# Altium PCB LimeSDR_Mini_1v3_Rounded.PcbDoc (part 5 of 6) (continued)
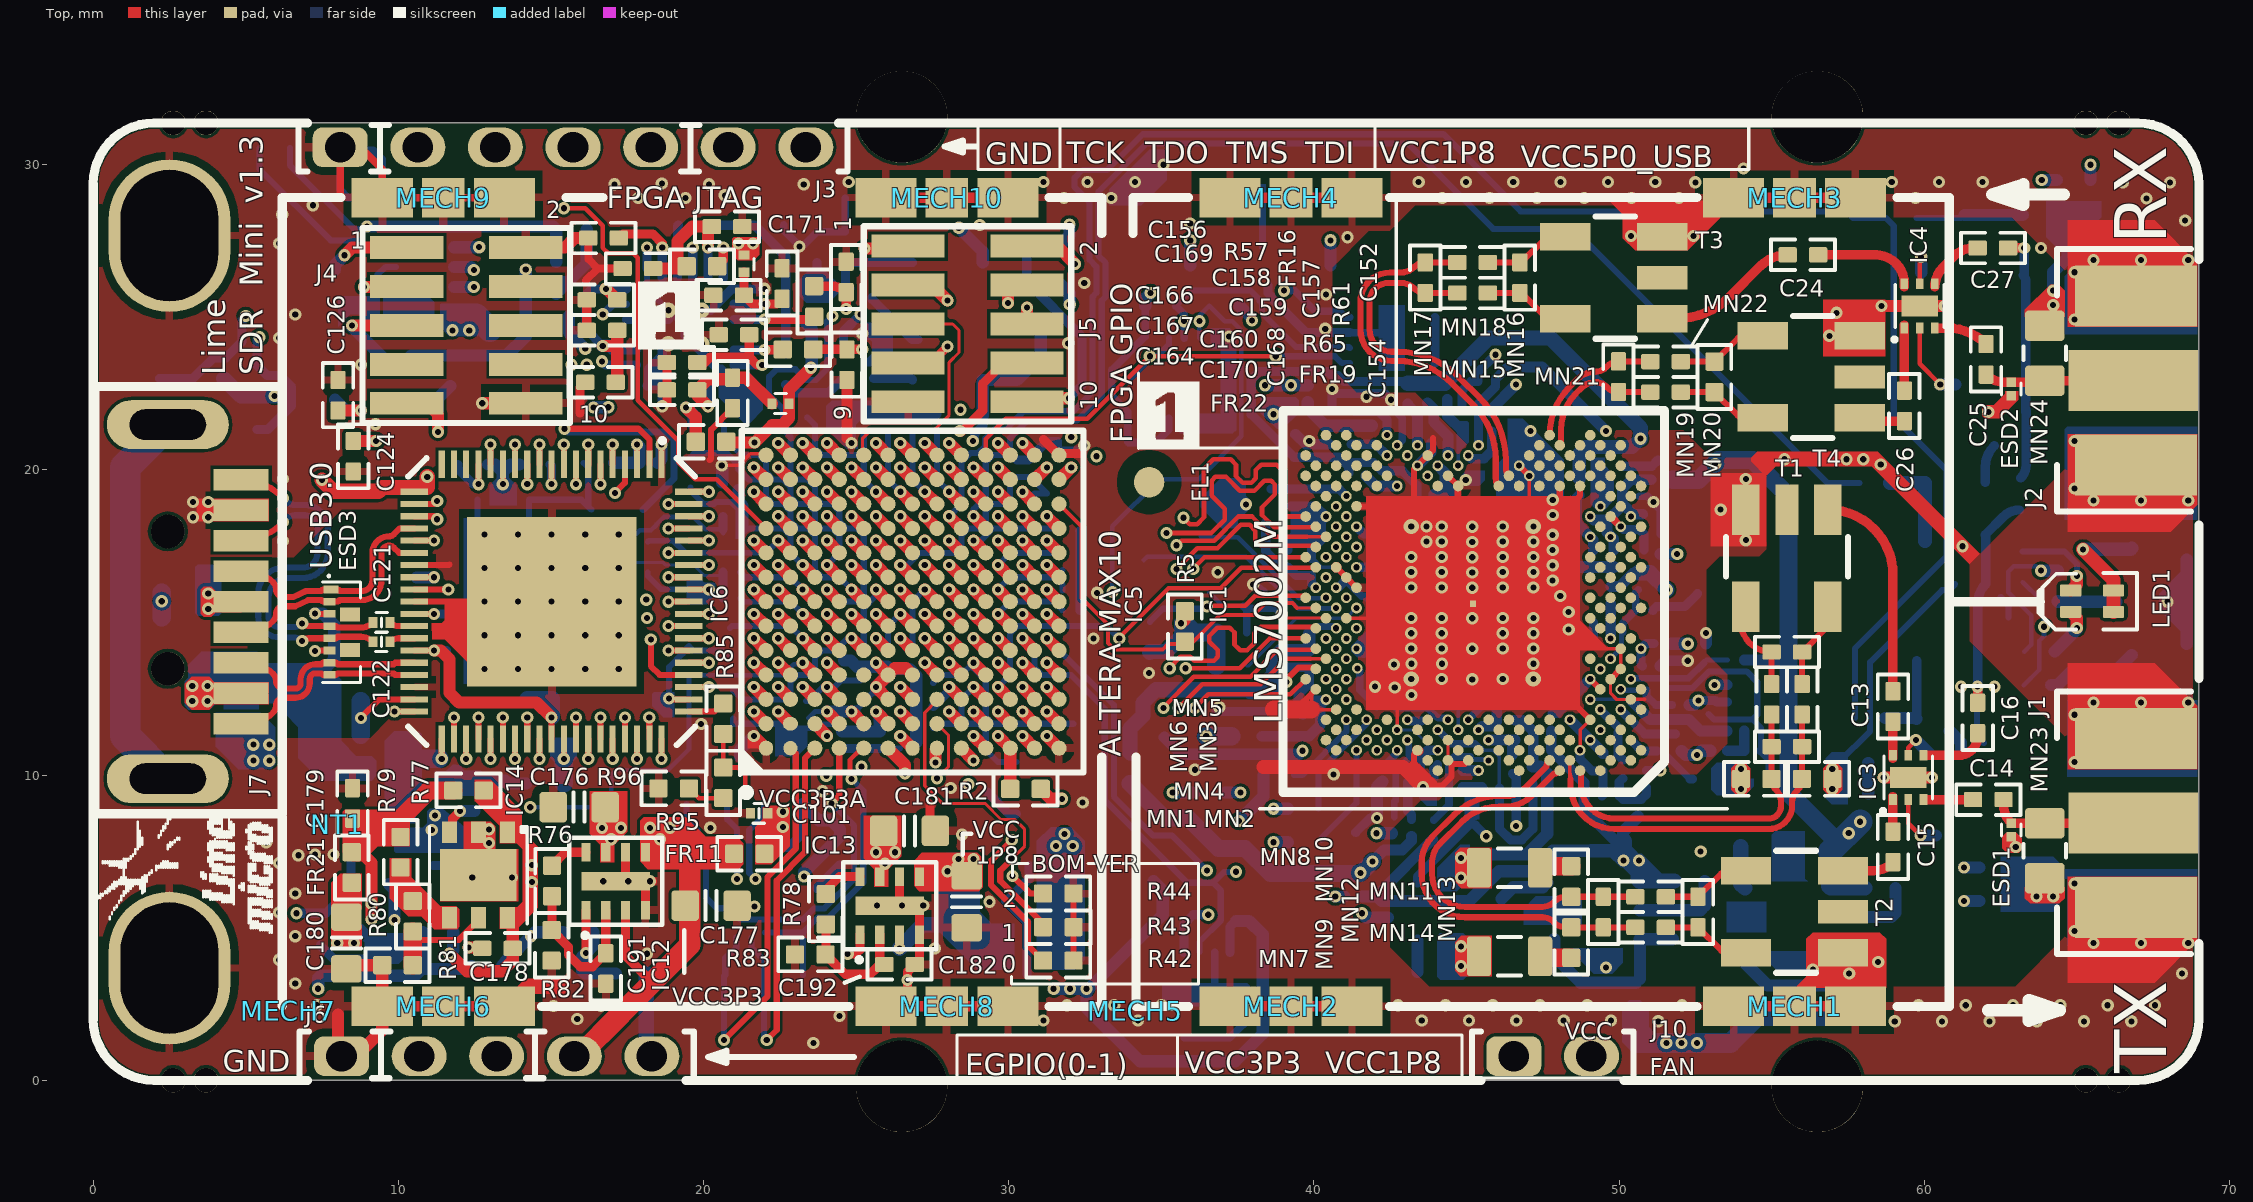
[diagram p0: Top view]
## Nets (pads, with @x,y where several pads share a name; then routed paths per layer and width w, separated by ;. In a path a pad name is that pad's centre, name@x,y a point inside that pad or via, vN(x,y) a via of type N, cw(c..) or ccw(c..) an arc to the next point about the centre after c; other vN are vias at no path point) (continued)
USB_SSTX_N: C121.1 ESD3.4 J7.5 | length 11.5
  Top w0.2: J7.5@4.85,19.685 cw(c4.85,17.838) 6.156,19.144 v1(6.225,19.075) ; v1(6.85,14.975) ccw(c7.067,15.192) 7.067,14.885 ESD3.4@7.742,14.885 7.955,14.885 8.005,14.835 8.772,14.835 ccw(c8.772,15.398) C121.1@9.17,15 C121.1@9.153,15
  Bottom w0.2: v1(6.225,19.075) 6.335,18.965 ccw(c6.6,19.229) 6.6,18.855 6.935,18.855 cw(c6.935,18.1) 7.69,18.1 7.69,17.275 cw(c6.875,17.275) 6.875,16.46 6.385,16.46 ccw(c6.385,15.825) 5.75,15.825 5.75,15.205 ccw(c6.1,15.205) 6.1,14.855 6.56,14.855 ccw(c6.56,15.265) v1(6.85,14.975)
USB_SSTX_P: C122.1 ESD3.5 J7.6 | length 11.5
  Top w0.2: J7.6@4.85,17.685 ccw(c4.85,19.532) 6.156,18.226 v1(6.225,18.295) ; v1(6.85,14.395) cw(c7.067,14.178) 7.067,14.485 ESD3.5@7.742,14.485 7.955,14.485 8.005,14.535 8.772,14.535 cw(c8.772,13.972) C122.1@9.17,14.37 C122.1@9.153,14.37
  Bottom w0.2: v1(6.225,18.295) 6.335,18.405 cw(c6.6,18.141) 6.6,18.515 6.935,18.515 cw(c6.935,18.1) 7.35,18.1 7.35,17.275 cw(c6.875,17.275) 6.875,16.8 6.244,16.8 ccw(c6.244,15.966) 5.41,15.966 5.41,15.205 ccw(c6.1,15.205) 6.1,14.515 6.56,14.515 cw(c6.56,14.105) v1(6.85,14.395)
USB_SSTXI_N: C121.2 IC6.31 | length 0.8
  Top w0.2: C121.2@9.73,15 ccw(c10.008,15.278) 10.008,14.885 IC6.31@10.525,14.885
USB_SSTXI_P: C122.2 IC6.32 | length 0.8
  Top w0.2: C122.2@9.73,14.37 cw(c10.008,14.092) 10.008,14.485 IC6.32@10.525,14.485
USB_VBUS: C123.1 ESD3.3 FR12.1 J7.1 R50.2 | length 3.3
  Top w0.2: v1(7.275,15.3) ccw(c7.311,15.336) 7.311,15.285 ESD3.3@7.742,15.285
  Bottom w0.4: 7.238,13.137 7.9,13.8 7.9,14.925 7.525,15.3 v1(7.275,15.3)
  other v1: 3.25,12.425 3.75,12.425 3.25,12.925 3.75,12.925
VCC1P4_LMS: C188.2 FR30.2 FR31.2 FR32.2 FR33.2 IC16.4 R88.2 R93.1 | length 59.3
  L4 w0.4: v1(49.575,21.275) 49.575,21.725 50.125,22.275 51.475,22.275 53.15,20.6 v1(53.15,20.2)
  L4 w0.8: 41.825,6.875 42.975,5.725 55.15,5.725 v1(57.9,8.475)
  Bottom w0.35: v1(41.925,7.175) 42.3,7.55 42.9,7.55 43.2,7.85 FR33.2@43.2,7.995 ; FR31.2@46.905,23.375 47.475,23.375 v1(49.575,21.275) ; FR30.2@54.105,13.775 55.5,13.775
  Bottom w0.5: IC16.4@56.925,6.3 56.931,6.305 R88.2@58.061,6.305
  Bottom w0.55: R93.1@33.975,9.725 35.1,8.6 35.875,8.6 36.875,7.6 37.75,7.6 38.575,6.775 41.525,6.775 v1(41.925,7.175)
  Bottom w0.6: FR32.2@51.75,19.675 52.6,19.675 53.25,20.325 54.379,20.325 55.55,19.154 55.55,9.417 C188.2@57.186,7.781 ; IC16.4@56.925,6.375 C188.2@56.925,7.5
  Bottom w0.8: C188.2@56.925,7.5 v1(57.9,8.475)
  other v1: 41.525,6.8 57.525,8.1
VCC1P8: C108.2 C109.1 C110.1 C111.1 C174.1 C182.2 FR16.1 FR20.1 IC5.F2 IC5.G3 IC11.8 IC11A.8 IC13.3 IC13.5 J3.6 J4.4 J6.5 R34.2 R36.2 R37.1 R58.2 R84.2 | length 119.7
  Top w0.3: v1(26.425,4.325) IC13.3@26.425,4.775
  Top w0.4: v1(25.65,12.085) IC5.F2@26.05,11.685 ; v1(26.45,12.885) IC5.G3@26.85,12.485
  L4 w0.4: J6.5@18.311,0.675 24.2,0.675 25.925,2.4 25.925,3.825 v1(26.425,4.325)
  L5 w0.25: v1@25.84,12.085 26.45,12.695 v1(26.45,12.885)
  L5 w0.4: v1(21.15,27.425) v1(21.625,27.425) 23.05,28.85 29.275,28.85 30.675,27.45 32.875,27.45 33.725,26.6 36.275,26.6 v1(37.975,24.9) ; v1@25.775,11.96 v1(25.65,12.085) v1@25.84,12.085
  L5 w0.5: v1(14.175,26.565) 13.06,25.45 11.3,25.45 9.85,24 8.116,24 7.425,23.309 7.425,22.725 5.95,21.25 5.95,20.271 5.275,19.596 5.275,13.841 6.291,12.825 6.891,12.825 10.5,9.216 10.5,7.98 11.28,7.2 13.45,7.2 15.15,8.9 20.925,8.9 v1@23.11,6.715
  L5 w0.6: v1@25.675,12.05 25.775,11.95 25.775,8.938 25.881,8.831 25.988,8.725
  L5 w1: 23.213,6.937 24.9,8.625 25.781,8.625
  L5 w1.2: 25.575,8.725 25.988,8.725 26.4,8.725 28.025,7.1 28.6,7.1
  L6 w0.5: v1(14.175,26.565) 14.665,26.565 16.46,28.36 20.94,28.36 ; J3.6@20.811,30.575 21.25,30.136 21.25,28.67 20.94,28.36 ; 21.4,27.5 21.3,27.6 21.3,28 21,28.3 20.94,28.36
  Bottom w0.17: 22.995,11.43 23.1,11.535 23.702,11.535 23.837,11.67 24.285,11.67 C110.1@24.525,11.43
  Bottom w0.2: R37.1@20.975,11.85 R37.1@20.975,11.775 20.975,11.685 22.74,11.685 22.995,11.43 C108.2@22.995,10.45
  Bottom w0.3: IC11.8@22.075,7.625 22.775,7.625 23.15,8 23.15,8.945 IC11A.8@23.255,9.05
  Bottom w0.4: R34.2@10.425,23.75 13.55,23.75 14.175,24.375 v1(14.175,26.565) ; IC11A.8@23.255,9.05 23.78,8.525 24.175,8.525 24.475,8.225 C174.1@24.475,8 23.3,6.825 v1(23.3,6.675) ; C110.1@24.544,11.43 C109.1@25.2,11.43 25.775,11.43 25.775,11.96 v1(25.65,12.085) ; R58.2@37.575,25.375 v1@37.9,25.05
  Bottom w0.5: R84.2@18.125,3.5 18.125,0.981 J6.5@18.311,0.795 ; v1(26.425,4.325) 27.2,5.1 28.125,5.1
  other v1: 28,6.85 28.35,7.25 28.85,7.25
VCC1P8_LMS: C3.1 C4.2 C5.1 C6.2 C7.1 C8.1 C9.2 C10.2 C175.2 FR1.2 FR2.1 FR3.1 FR4.2 FR5.2 FR6.2 FR7.2 FR8.2 FR20.2 FR34.1 FR35.1 MN1.2 MN2.2 MN7.2 MN8.2 R19.2 R26.2 R32.2 R33.1 | length 26.4
  Bottom w0.2: C6.2@57.165,10.4 57.185,10.4 58.225,11.44 58.225,13.7 60.588,16.063 60.812,16.063 R19.2@61.012,16.262
  Bottom w0.35: FR4.2@45.826,21.876 45.826,22.001 v1(46.625,22.8) ; FR6.2@46.58,11.8 46.825,11.8 47.185,11.44 FR7.2@47.185,11.175 FR8.2@47.185,10.28
  Bottom w0.4: v1(38.4,22.776) v1(39.251,22.776) R33.1@39.801,22.776 ; v1(42.056,8.096) R26.2@42.556,8.096 ; C9.2@45.142,7.4 46.973,7.4 47.65,8.077 47.65,10.05 47.42,10.28 47.185,10.28 FR8.2@47.175,10.28 ; FR3.1@51.355,17.25 FR3.1@51.38,17.25 v1(51.905,17.25) ; FR2.1@51.729,14.309 v1(52.254,14.309) ; FR1.2@52.05,10.795 52.188,10.657 v1(52.555,10.657) 52.698,10.8 R32.2@52.995,10.8 ; C4.2@53.325,9.875 53.875,9.875
  Bottom w0.65: v1@51.575,1.225 v1(52.05,1.225) v1(52.55,1.225) 53.65,1.225 54.53,2.105 FR35.1@56.936,2.105
  other v1: 51.55,1.225 44.817,3.742 44.817,4.392 44.817,6.642 44.817,7.292 31.55,7.675 32.1,7.675 31.825,8.075 54,9.55 56.985,9.55 54,10.2 56.985,10.2
VCC1P25_LMS: C185.2 FR23.2 FR24.2 FR25.2 FR26.2 FR27.2 FR28.2 FR29.2 FR36.2 FR37.2 FR38.2 FR39.2 FR40.2 FR41.2 FR42.2 FR43.2 FR44.2 FR45.2 IC15.4 R86.2 R90.1 | length 94.9
  L4 w0.4: 51.575,12.075 52.225,12.075 v1(52.6,12.45)
  L4 w0.65: v1(50.7,21.025) 51.75,19.975 51.75,18.4 51.025,17.675 51.025,16.625 v1(51.575,16.075) 51.575,12.075
  L4 w0.7: 50.425,7.3 50.425,10.925 51.575,12.075
  L6 w0.2: 42.01,12.215 43.585,12.215
  L6 w0.22: v5(41.425,13.5) 41.59,13.335 41.59,12.635 42.01,12.215
  L6 w0.4: 43.585,12.215 43.895,12.525 45.7,12.525 47.35,10.875 47.35,9.325
  L6 w0.6: v1(39.625,10.8) 39.625,10.204 40.579,9.25 42.8,9.25 43.05,9 45.525,9 45.85,9.325 47.35,9.325
  L6 w0.9: 47.35,9.325 49.4,7.275 50.45,7.275
  Bottom w0.2: FR40.2@42.954,22.851 FR40.2@43.075,22.73
  Bottom w0.25: v5(41.425,13.5) 41.5,13.425 41.5,12.799 FR42.2@42.059,12.239
  Bottom w0.3: FR41.2@41.145,19.9 41.145,20.105 ; FR40.2@42.954,22.851 42.904,22.901 40.985,22.901 40.786,23.1 40.575,23.1 40.449,23.226 38.214,23.226 37.95,22.963 37.95,21.821 39.355,20.416 40.834,20.416 41.145,20.105 ; FR23.2@43.37,19.2 43.37,19.505 42.9,19.975 42.225,19.975 41.95,20.25 41.29,20.25 41.145,20.105 ; v1(52.6,12.45) 53.15,12.45 53.2,12.4 FR45.2@53.55,12.4
  Bottom w0.35: 42.15,6.15 FR29.2@43.9,7.9 ; FR24.2@47.775,11.445 47.775,10.825 48.85,9.75 48.85,8.875 49.9,7.825 C185.2@50.125,7.825 ; FR37.2@49.725,16.18 50.021,16.18 50.471,16.63 FR43.2@50.625,16.63
  Bottom w0.38: R90.1@35.107,11.243 35.662,10.688 39.513,10.688 v1(39.625,10.8)
  Bottom w0.4: FR44.2@41.605,6.025 42.075,6.025 42.225,5.875 45.095,5.875 46.07,6.85 47.15,6.85 47.825,7.525 49.1,7.525 ; C185.2@50.125,7.825 50.125,8.145 FR27.2@50.625,8.645 ; FR36.2@52.305,12.3 52.45,12.3 v1(52.6,12.45)
  Bottom w0.45: FR25.2@48.7,19.73 48.7,20.55 48.9,20.75 50.425,20.75 v1(50.7,21.025) ; 49.1,7.525 50.125,7.525
  Bottom w0.5: FR40.2@43.075,22.845 44.295,22.845 44.875,23.425 44.875,23.478 45.722,24.325 47.75,24.325 50.7,21.375 v1(50.7,21.025) ; FR43.2@50.625,16.63 51.02,16.63 v1(51.575,16.075) ; IC15.4@50.675,6.525 50.681,6.53 R86.2@51.811,6.53
  Bottom w0.6: C185.2@50.125,7.825 50.125,7.525 50.675,6.975 IC15.4@50.675,6.6
  other v1: 50.15,7.2 50.65,7.2
VCC3P3: C102.2 C103.1 C104.1 C105.1 C106.1 C107.1 C112.2 C113.1 C114.1 C115.1 C116.1 C117.1 C118.1 C119.1 C120.1 C128.2 C129.2 C130.1 C131.2 C132.1 C133.2 C134.1 C135.2 C136.1 C150.1 C162.1 C177.2 C178.2 FR11.1 FR22.1 IC5.C6 IC5.C7 IC5.C8 IC5.F7 IC5.F11 IC5.G6 IC5.G8 IC5.G11 IC5.H7 IC5.H11 IC5.J11 IC6.14 IC6.20 IC6.24 IC6.28 IC6.38 IC6.49 IC6.59 IC6.68 IC8.8 IC10.8 IC12.3 IC12.5 IC14.1 IC14.6 J6.4 LED1.1 LED1.2 LED2.A R14.1 R20.1 R35.1 R40.1 R45.1 R46.1 R47.1 R48.1 R49.1 R53.2 R54.2 R55.2 R64.1 R66.1 R71.1 R77.1 | length 156.9
  Top w0.2: v1(9.875,12.085) IC6.38@10.525,12.085 ; IC6.28@10.525,16.085 v1(11.64,16.085) ; IC6.24@10.525,17.685 v1(11.175,17.685) ; v1(13.425,19.535) IC6.14@13.425,20.185 ; v1(15.425,10.535) IC6.49@15.425,11.185 ; v1@18.875,12.485 IC6.59@19.525,12.485 ; IC6.68@19.525,16.085 v1(20.175,16.085)
  Top w0.3: IC12.3@17.45,5.575 17.45,4.075 18.32,3.205
  Top w0.4: v1(11.675,4.15) 12.25,3.575 13.4,3.575 13.75,3.925 C178.2@13.75,4.325 13.75,5.475 13.975,5.475 14.375,5.875 v1(14.375,6.5) v1(14.375,7.05) 14.375,7.584 ; v1(19.425,22.05) 19.75,21.725 FR22.1@19.75,20.925 ; v1(23.25,15.285) IC5.C6@23.65,14.885 ; v1(23.25,16.085) IC5.C7@23.65,15.685 ; v1(23.25,16.885) IC5.C8@23.65,16.485 ; v1(25.65,16.085) IC5.F7@26.05,15.685 ; v1(25.65,19.285) IC5.F11@26.05,18.885 ; v1(26.45,15.285) IC5.G6@26.85,14.885 ; v1(26.45,16.885) IC5.G8@26.85,16.485 ; v1(26.45,19.285) IC5.G11@26.85,18.885 ; v1(27.25,16.085) IC5.H7@27.65,15.685 ; v1(27.25,19.285) IC5.H11@27.65,18.885 ; v1(28.05,19.285) IC5.J11@28.45,18.885
  Top w0.45: v1(65.2,17.4) 66.2,16.4 LED1.1@66.2,15.35
  Top w0.5: v1(7.5,19.675) 7.875,19.3 9.35,19.3 9.475,19.425 10.937,19.425 10.95,19.438 v1(10.95,19.775)
  Top w0.7: J6.4@15.768,0.795 15.919,0.795 17.29,2.166 17.29,2.175 18.32,3.205 19.55,4.435 19.55,7.45
  L4 w0.45: v1(34.65,25.8) 34.725,25.875 v1(39.025,25.875) 39.025,27.15 40.15,28.275 52.9,28.275 53.35,27.825 61.4,27.825 61.975,27.25 ; v1(61.3,6.975) 61.3,10.25 65.525,14.475 65.525,17.075 v1(65.2,17.4) 65.2,17.425 61.475,21.15 61.475,25.525 61.975,26.025 61.975,27.25 ; v1(63.85,29.5) 63.85,29.125 61.975,27.25
  L4 w0.5: v1(5.95,22.425) 7.5,20.875 v1(7.5,19.675)
  Bottom w0.19: R45.1@18.175,16.65 18.175,16.525 18.61,16.09 20.17,16.09 v1(20.175,16.085) ; C116.1@21.205,15.8 21.325,15.68 22.855,15.68 v1(23.25,15.285)
  Bottom w0.2: v1(18.875,12.51) 18.875,13.544 19.325,13.994 19.325,14.03 R48.1@19.525,14.23 19.67,14.085 20.615,14.085 R49.1@20.875,13.825 R49.1@20.875,13.819 ; R47.1@19.575,19.425 19.575,19.319 20.009,18.885 20.347,18.885 20.412,18.95 20.878,18.95 20.88,18.948 21.15,18.948 ; C120.1@21.205,16.65 21.37,16.485 22.85,16.485 v1(23.25,16.085) ; 21.28,18.15 21.345,18.085 22.616,18.085 22.85,17.851 22.85,17.285 v1(23.25,16.885) ; C102.2@23.4,21.725 23.65,21.475 23.65,20.719 23.884,20.485 25.231,20.485 25.25,20.466 ; C113.1@25.25,14.08 25.25,15.475 25.65,15.875 v1(25.65,16.085) ; C117.1@25.27,21.266 25.25,21.246 25.25,20.466 ; v1(25.65,19.285) 25.25,19.685 25.25,20.466 ; C115.1@26.025,14.08 26.05,14.105 26.05,14.885 v1(26.45,15.285) ; C118.1@26.04,21.266 26.05,21.256 26.05,19.685 v1(26.45,19.285) ; v1(26.45,16.885) 26.684,16.885 27.084,17.285 28.216,17.285 28.45,17.519 28.45,17.851 28.684,18.085 29.016,18.085 29.25,18.319 29.25,18.651 29.484,18.885 29.816,18.885 30.05,19.119 30.05,19.545 C103.1@30.275,19.77 30.715,19.77 C112.2@31.25,19.235 30.85,19.235 C112.2@30.85,18.885 ; C119.1@26.75,14.055 26.85,14.155 26.85,15.685 v1(27.25,16.085) ; C114.1@26.86,21.266 26.85,21.256 26.85,19.685 v1(27.25,19.285) ; C107.1@27.65,21.27 27.65,19.685 v1(28.05,19.285)
  Bottom w0.25: R66.1@34.475,25.375 34.475,24.375 33.375,23.275 33.375,22.425 R64.1@33.9,21.9 33.9,20.925 C150.1@33.925,20.9 34.825,20.9 35.25,21.325 IC8.8@35.25,21.525 IC8.8@35.25,21.7 ; v1(39.025,25.875) 39.375,25.875 C162.1@40.05,25.2 40.829,25.2 40.975,25.054 40.975,25.025 41,25 IC10.8@41.175,25
  Bottom w0.4: v1(11.675,4.15) 11.8,4.275 R71.1@11.8,4.85 ; R54.2@12.95,20.175 13.175,20.175 13.425,19.925 ; v1(13.425,19.535) 13.425,19.925 ; R53.2@13.975,20.175 13.675,20.175 13.425,19.925 ; v1(19.425,22.05) 19.675,21.8 R46.1@19.675,21.475 ; C106.1@21.15,19.335 21.15,18.948 21.28,18.818 21.28,18.15 ; R40.1@31.6,26.175 32,25.775 v1(32,25.425) ; R66.1@34.475,25.375 34.475,25.625 v1(34.65,25.8) ; v1(61.3,6.975) R14.1@61.8,6.975 ; v1(63.85,29.5) R20.1@64.35,29.5
  Bottom w0.45: v1(65.2,17.4) 66.765,17.4 LED2.A@66.8,17.435
  Bottom w0.5: R35.1@4.275,23 4.85,22.425 v1(5.95,22.425)
  Bottom w0.6: C128.2@15.425,9.725 v1(15.425,10.535)
  other v1: 18.575,7.9 18.25,8.275 18.9,8.275
VCC3P3_CLK: C184.2 FR17.1 FR19.1 FR22.2 R60.2 | length 21.5
  Top w0.4: FR22.2@20.75,20.925 20.77,20.905 v1(21.67,20.905) 21.692,20.905 22.255,21.468 22.574,21.468 22.805,21.699 FR19.1@22.805,22.175 22.805,22.63 v1(23.525,23.35)
  L4 w0.5: v1(16.4,22.05) 17.575,22.05 18.41,22.885 23.06,22.885 v1(23.525,23.35)
  L5 w0.6: v1(11.775,24.575) v1(12.325,24.575) 13.225,24.575 15.75,22.05 v1(16.4,22.05) v1@16.775,22.05
  Bottom w0.4: v1@16.4,22.055 v1(16.88,22.055) ; R60.2@23.375,24.775 23.55,24.6 23.55,23.375 v1(23.525,23.35)
  Bottom w0.8: 11.775,25.05 12.55,25.05 C184.2@13,24.6
VCC3P3A: C95.2 C96.1 C97.1 C98.1 C99.1 C100.1 C101.1 FR11.2 IC5.D3 IC5.D4 IC5.D10 IC5.K4 IC5.K9 | length 36.4
  Top w0.4: v1(24.05,12.885) IC5.D3@24.45,12.485 ; v1(24.05,13.685) IC5.D4@24.45,13.285 ; v1(24.05,18.485) IC5.D10@24.45,18.085 ; v1(28.85,13.685) IC5.K4@29.25,13.285 ; v1(28.85,17.685) IC5.K9@29.25,17.285
  L2 w0.2: v1@23.938,12.763 24.962,12.763 25.484,13.285 28.45,13.285 v1(28.85,13.685) 29.25,14.085 29.25,17.285 v1(28.85,17.685) ; v1(24.05,13.685) 24.45,14.085 24.45,18.085 v1(24.05,18.485)
  L2 w0.4: v1@23.938,12.763 v1@24.05,12.875 ; v1(24.05,12.885) v1(24.05,13.685)
  L2 w0.45: 23.375,12.21 v1(24.05,12.885)
  L2 w0.6: v1(22.6,8.3) v1(22.6,8.8) 22.6,10.725 23.375,11.5 23.375,12.21
  Bottom w0.2: C99.1@23.361,12.43 C99.1@23.45,12.43 23.905,12.885 v1(24.05,12.885) 24.29,12.885 C98.1@24.525,13.12 ; v1(24.05,13.685) 24.525,13.21 C98.1@24.525,13.12 ; C98.1@24.6,13.195 C98.1@24.525,13.12 ; C97.1@25.15,13.105 24.525,13.105 C98.1@24.525,13.12 ; C96.1@27.53,13.025 27.79,13.285 28.45,13.285 v1(28.85,13.685) 28.85,13.495 29.25,13.095 29.25,11.919 29.484,11.685 32.115,11.685 C95.2@32.125,11.675 ; v1(28.85,17.685) 29.085,17.685 29.25,17.85 ; 29.25,17.851 29.484,18.085 31.77,18.085 C100.1@31.77,18
VCC5P0_USB: C176.2 C181.2 FR12.2 IC12.7 IC13.1 IC13.7 J3.7 R15.1 R21.1 R41.1 R69.1 R94.1 | length 146.1
  Top w0.3: v1(24.725,4.15) 25,4.15 25.125,4.275 IC13.1@25.125,4.775
  L3 w0.6: 5.375,10.7 5.375,11 5.375,21.875 4.275,22.975 4.275,25.4 5.35,26.475 5.35,28.45 6.175,29.275 15.825,29.275 16.825,28.275 21.154,28.275 J3.7@23.354,30.475
  L4 w0.6: J3.7@23.354,30.575 24.469,30.575 25.694,29.35 30.275,29.35 31.584,28.041 v1(31.994,28.041) 33.891,28.041 34.625,28.775 36.25,28.775 36.8,29.325 42.476,29.325 43.187,30.035 52.89,30.035 53.95,28.975 57.625,28.975 59.025,30.375 65.075,30.375 v1(65.45,30) 65.45,28 64.125,26.675 63.825,26.675 63.238,26.088 63.238,25.788 62.8,25.35 62.8,21.85 64.425,20.225 65.35,20.225 66.4,19.175 66.4,12.25 65.35,11.2 64.2,11.2 62.35,9.35 62.35,6.6 61.628,5.878 v1(61.3,5.878)
  L4 w1.7: 5.8,10.75 6.175,10.75 11.425,5.5 13.125,5.5 13.3,5.325 20.25,5.325 21.2,4.375 24.075,4.375 24.4,4.7 24.4,6.15 25.05,6.8 ; 15.55,5.375 15.55,7.125 16.125,7.7 16.675,7.7
  Bottom w0.4: R69.1@13.4,3.75 13.5,3.85 13.5,3.875 14.475,4.85 R94.1@15.4,4.85 ; R41.1@31.594,27.291 31.994,27.691 v1(31.994,28.041) ; v1(61.3,5.878) R15.1@61.8,5.878 ; R21.1@65.45,29.5 v1(65.45,30)
  other v1: 14.35,4.725 25.95,7.1 25.65,7.475 26.275,7.475 16.975,7.9 16.675,8.275 17.3,8.275 5.25,10.475 5.775,10.475 5.25,11 5.775,11
VD10_FT: C137.2 C138.2 C139.1 C140.1 C141.1 C142.1 C143.1 C144.1 FR14.1 IC6.3 IC6.30 IC6.33 IC6.39 IC6.48 | length 30.5
  Top w0.2: IC6.33@10.525,14.085 v1(11.175,14.085) ; IC6.30@10.525,15.285 v1(11.175,15.285) ; v1(11.425,10.535) IC6.39@11.425,11.185 ; IC6.48@15.025,11.185 v1@15.025,11.835 ; IC6.3@17.825,20.185 v1(17.825,20.835)
  Top w0.4: v1(11.175,14.085) 11.39,14.085 11.675,13.8 11.675,12.7 11.99,12.385 14.525,12.385 v1(15.025,11.885)
  L5 w0.5: v1(11.425,10.535) 11.175,10.785 v1(11.175,15.285) 11.415,15.525 11.975,15.525 12.225,15.775 12.225,18.134 12.05,18.309 12.05,19.907 12.343,20.2 17.19,20.2 v1(17.825,20.835)
  Bottom w0.3: v1(11.175,14.085) C143.1@11.585,14.085 ; v1(11.175,15.285) C141.1@11.585,15.285
  Bottom w0.4: C142.1@17.075,20.235 C139.1@17.87,20.235 ; v1(17.825,20.835) 17.895,20.765 C139.1@17.895,20.235
  Bottom w0.5: C138.2@14.225,12.51 C140.1@15.05,12.51 v1@15.05,11.91
  Bottom w0.6: C137.2@10.4,10.535 C137.2@10.475,10.535 ; C144.1@10.475,9.775 C137.2@10.475,10.535 ; v1@11.35,10.535 C137.2@10.475,10.535
VDIO_LMS: C2.1 C180.2 FR21.2 IC2.8 R1.2 R2.2 R3.1 R4.1 R5.2 R12.1 R13.1 R27.1 R28.1 R29.1 R30.1 R31.1 | length 51.8
  Top w0.4: R2.2@31.05,9.55 31.375,9.225 v1(31.75,9.225) ; v1(35.65,14.978) 35.775,15.103 R5.2@35.775,15.375
  L6 w0.8: v1@8.175,4.5 10.025,4.5 11.365,3.16 18.04,3.16 18.275,2.925 24.8,2.925 25.175,2.55 30.35,2.55 31,3.2 32.525,3.2
  Bottom w0.3: IC2.8@37.25,4.2 37.25,5.025 C2.1@37.45,5.225
  Bottom w0.4: v1(31.475,3) v1(32.013,3) v1(32.55,3) ; R13.1@34.75,6.525 35.05,6.225 R12.1@35.05,5.425 32.625,3 v1(32.55,3) ; R28.1@37.322,18.275 37.322,18.422 v1(37.775,18.875) 37.326,19.324 R27.1@37.326,19.371 ; C2.1@37.45,5.225 37.875,5.225 38.325,4.775 38.325,1.525 37.425,0.625 34.3,0.625 32.55,2.375 v1(32.55,3)
  Bottom w0.5: R4.1@34.625,14.025 34.625,14.053 35.175,14.053 35.8,14.678
  Bottom w0.6: 35.8,14.678 36.801,14.678 36.801,14.671 R3.1@36.8,13.575 ; v1(36.475,11.278) R30.1@37.3,11.278 ; 41.627,14.147 R31.1@42.001,14.521
  other v1: 8,4.5 8.55,4.5
  other v3: 41.401,14.146
VDIO_LMS_FPGA: C88.2 C89.1 C90.1 C91.1 C92.1 C93.1 C94.1 C179.2 FR18.1 FR21.1 IC5.J3 IC5.K3 IC5.L6 IC5.L7 IC5.L8 R77.2 R79.2 | length 88.3
  Top w0.4: FR21.1@8.725,7.525 9.118,7.132 v1(9.118,5.782) v1(9.118,5.275) ; v1(28.05,12.885) IC5.J3@28.45,12.485 ; v1(28.85,12.885) IC5.K3@29.25,12.485 ; v1(29.65,15.285) IC5.L6@30.05,14.885 ; v1(29.65,16.085) IC5.L7@30.05,15.685 ; v1(29.65,16.885) IC5.L8@30.05,16.485
  Top w0.6: 10.087,8.587 11,9.5 R77.2@11.8,9.5
  L5 w0.2: v1(28.85,12.885) 29.25,13.285 29.25,14.885 v1(29.65,15.285)
  L5 w0.4: v1(9.118,5.275) v1(9.118,5.782) 8.275,6.625 5.45,6.625 4.75,7.325 4.75,10.45 4.525,10.675 4.525,19.907 5.125,20.507 5.125,22.307 7.275,24.457 7.275,25.225 9.85,27.8 14.143,27.8 15.675,26.268 15.675,24.425 v1(16.125,23.975)
  L6 w0.4: v1@29.645,15.29 29.65,15.295 v1(29.65,16.885)
  L6 w0.5: v1@9.1,5.35 9.1,5.764 v1(9.118,5.782) 9.511,6.175 11.614,6.175 12.214,5.575 19.125,5.575 21.05,7.5 23.5,7.5 25.875,9.875 25.875,10.2 26.35,10.675 26.725,10.675 27.225,11.175 27.225,12.375 27.725,12.875 v1@28.85,12.875
  Bottom w0.2: C92.1@27.53,11.55 27.53,11.685 28.216,11.685 28.45,11.919 ; v1(28.85,12.885) 28.45,12.485 28.45,11.919 ; v1(29.65,15.285) 30.05,15.685 31.485,15.685 C91.1@31.77,15.4 ; v1(29.65,16.085) 30.05,16.485 31.53,16.485 ; v1(29.65,16.885) 30.05,17.285 31.77,17.285 C94.1@31.77,17.35 ; C88.2@30.25,10.425 29.65,10.425 29.25,10.825 29.25,11.451 29.016,11.685 28.684,11.685 28.45,11.919 ; C90.1@31.77,16.05 31.77,16.245 31.53,16.485 ; C89.1@31.77,16.725 31.53,16.485
  Bottom w0.3: C93.1@27.53,12.25 28.05,12.77 v1(28.05,12.885)
  Bottom w0.4: 15.595,25.05 FR18.1@15.595,24.875 15.595,24.505 v1(16.125,23.975)
VDIO_LMS_LMK: C164.2 C165.2 C166.2 C167.2 FR18.2 IC7.14 IC7.18 | length 6
  Top w0.4: v1(16.7,24.06) 17.04,24.06 ; v1(16.8,25.935) 16.815,25.935 C166.2@17.175,25.575 ; C164.2@17.125,22.875 17.175,22.925 17.175,23.925 17.04,24.06 ; C167.2@17.175,24.575 17.175,24.195 17.04,24.06
  Bottom w0.3: v1(16.7,24.06) 16.155,24.605 FR18.2@16.155,24.875 16.155,25.755 C165.2@16.175,25.775 16.335,25.935 v1(16.8,25.935) IC7.18@17.475,25.935
pads on no net: C1.0 C2.0 C3.0 C4.0 C5.0 C6.0 C7.0 C8.0 C9.0 C10.0 C11.0 C12.0 C13.0 C14.0 C15.0 C16.0 C17.0 C18.0 C19.0 C20.0 C21.0 C22.0 C23.0 C24.0 C25.0 C26.0 C27.0 C28.0 C29.0 C87.0 C88.0 C95.0 C102.0 C108.0 C112.0 C123.0 C124.0 C125.0 C126.0 C127.0 C128.0 C137.0 C140.0 C142.0 C144.0 C145.0 C147.0 C148.0 C149.0 C150.0 C151.0 C152.0 C153.0 C154.0 C155.0 C156.0 C157.0 C158.0 C159.0 C160.0 C161.0 C162.0 C163.0 C164.0 C165.0 C166.0 C167.0 C168.0 C169.0 C170.0 C171.0 C172.0 C173.0 C174.0 C175.0 C176.0 C177.0 C178.0 C179.0 C180.0 C181.0 C182.0 C183.0 C184.0 C185.0 C186.0 C187.0 C188.0 C189.0 C191.0 C192.0 C193.0 ESD3.9 ESD3.10 FL1.1 FR11.0 FR12.0 FR13.0 FR14.0 FR20.0 FR21.0 FR22.0 FR34.0 FR35.0 IC1.A5 IC1.A13 IC1.A21 IC1.AA1 IC1.AA3 IC1.AA5 IC1.AB2 IC1.AB4 IC1.AB6 IC1.AC3 IC1.AC5 IC1.AD2 IC1.AE1 IC1.AE5 IC1.AG3 IC1.AG33 IC1.AH2 IC1.AH4 IC1.AH32 IC1.AJ1 IC1.AJ3 IC1.AJ5 IC1.AJ11 IC1.AJ13 IC1.AJ21 IC1.AJ27 IC1.AJ29 IC1.AJ31 IC1.AJ33 IC1.AK2 IC1.AK4 IC1.AK6 IC1.AK8 IC1.AK10 IC1.AK26 IC1.AK28 IC1.AK30 IC1.AK32 IC1.AK34 IC1.AL3 IC1.AL5 IC1.AL7 IC1.AL9 IC1.AL11 IC1.AL27 IC1.AL29 IC1.AL31 IC1.AL33 IC1.AM4 IC1.AM6 IC1.AM8 IC1.AM10 IC1.AM12 IC1.AM28 IC1.AM30 IC1.AM34 IC1.AN3 IC1.AN5 IC1.AN7 IC1.AN11 IC1.AN27 IC1.AN29 IC1.AN31 IC1.AP6 IC1.AP30 IC1.AP32 IC1.B2 IC1.B4 IC1.B12 IC1.B14 IC1.B22 IC1.C1 IC1.C3 IC1.C5 IC1.C9 IC1.C11 IC1.C13 IC1.C15 IC1.C17 IC1.C19 IC1.C31 IC1.D2 IC1.D4 IC1.D8 IC1.D10 IC1.D12 IC1.D14 IC1.D18 IC1.D22 IC1.D30 IC1.D32 IC1.E3 IC1.E9 IC1.E11 IC1.E13 IC1.E15 IC1.E23 IC1.E29 IC1.E31 IC1.F2 IC1.F4 IC1.F10 IC1.F12 IC1.F14 IC1.F16 IC1.F22 IC1.F26 IC1.F32 IC1.G1 IC1.G29 IC1.J1 IC1.M2 IC1.M6 IC1.P2 IC1.R3 IC1.R5 IC1.T4 IC1.T6 IC1.U1 IC1.U3 IC1.U5 IC1.V2 IC1.V4 IC1.V6 IC1.W3 IC1.Y2 IC1.Y4 IC1.Y6 IC5.E3 IC5.E4 IC6.17 IC6.18 IC6.19 IC7.4 IC7.9 IC7.10 IC7.15 IC8.9 J4.6 J4.7 J4.8 J7.11 LED1.0 LED2.0 MN1.0 MN2.0 MN3.0 MN4.0 MN5.0 MN6.0 MN7.0 MN8.0 MN9.0 MN10.0 MN11.0 MN12.0 MN13.0 MN14.0 MN15.0 MN16.0 MN17.0 MN18.0 MN19.0 MN20.0 MN21.0 MN22.0 MN23.0 MN24.0 R1.0 R2.0 R3.0 R4.0 R5.0 R6.0 R7.0 R8.0 R9.0 R10.0 R11.0 R12.0 R13.0 R14.0 R15.0 R16.0 R17.0 R18.0 R19.0 R20.0 R21.0 R22.0 R23.0 R24.0 R25.0 R27.0 R28.0 R29.0 R30.0 R31.0 R34.0 R35.0 R36.0 R37.0 R38.0 R39.0 R40.0 R41.0 R42.0 R43.0 R44.0 R45.0 R46.0 R47.0 R48.0 R49.0 R50.0 R51.0 R52.0 R53.0 R54.0 R55.0 R56.0 R57.0 R58.0 R59.0 R60.0 R61.0 R62.0 R63.0 R64.0 R65.0 R66.0 R67.0 R68.0 R69.0 R70.0 R71.0 R72.0 R73.0 R74.0 R75.0 R76.0 R77.0 R78.0 R79.0 R80.0 R81.0 R82.0 R83.0 R84.0 R85.0 R86.0 R87.0 R88.0 R89.0 R90.0 R93.0 R94.0 R95.0 R96.0 T1.2 T2.2 T3.2 T4.2 VT4.0 XO1.2 XO1.3 XO1.5 XO1.8 XO1.10 XT1.0

## Polygon pours and split planes (outlines as drawn)
GND on L3 "GND_L03_P018" (solid, remove dead copper, pour order 18): 0,2 0,29.37 cw(c2,29.37) 2,31.37 67,31.37 cw(c67,29.37) 69,29.37 69,2 cw(c67,2) 67,0 2,0 cw(c2,2)
VDIO_LMS on L3 "VDIO_LMS_L03_P002" (solid, remove dead copper, pour order 2): 31.05,3.1 31.05,5.725 32.625,7.3 32.625,8.05 31.525,9.15 31.525,13.25 37.475,19.2 38.4,19.2 41.925,15.675 41.925,12.05 35.9,6.025 35.9,5.425 33.2,2.725 31.425,2.725
GND on L2 "GND_L02_P005" (solid, remove dead copper, pour order 5): 0,2 0,29.37 cw(c2,29.37) 2,31.37 67,31.37 cw(c67,29.37) 69,29.37 69,2 cw(c67,2) 67,0 2,0 cw(c2,2)
VCC3P3 on L2 "VCC3P3_L02_P001" (solid, remove dead copper, pour order 1): 21.525,22.8 21.15,22.8 20.625,22.275 20.625,21.9 20.35,21.625 19.925,21.625 19.775,21.775 19.775,22.125 19.525,22.375 19.325,22.375 19.107,22.15 19.107,20.468 18.725,20.085 10.81,20.085 9.65,18.925 9.65,11.3 11.55,9.4 12.15,9.4 14.075,7.475 14.075,6.45 14.375,6.125 15.25,6.125 15.525,6.4 15.525,8.45 15.9,8.825 17.547,8.825 17.85,8.522 17.85,8.2 18.35,7.7 18.925,7.7 21.45,10.225 21.45,13.485 22.99,15.025 26.65,15.025 28.475,16.85 28.475,19.402 34.875,25.802 34.875,26.1 34.6,26.375 33.075,26.375 32.525,25.825 31.3,25.825 30.513,25.038 27.787,25.038 25.55,22.8
USB_GND on L2 "USB_GND_L02_P003" (solid, remove dead copper, pour order 3): 10,8.75 11.175,9.925 11.175,13.225 11.175,19.175 10.05,20.3 6.075,20.3 2.125,20.3 1.25,19.425 1.25,10.5 3,8.75
GND on L6 "GND_L06_P021" (solid, remove dead copper, pour order 21): 0,2 0,29.37 cw(c2,29.37) 2,31.37 67,31.37 cw(c67,29.37) 69,29.37 69,2 cw(c67,2) 67,0 2,0 cw(c2,2)
VCC1P8_LMS on L6 "VCC1P8_LMS_L06_P000" (solid, remove dead copper, pour order 0): 31.65,8.35 36.9,8.35 37.275,7.975 37.901,7.975 38.276,8.35 42.55,8.35 42.925,7.975 45,7.975 46.5,6.475 50.825,6.475 51.25,6.9 51.25,18.35 47.25,22.35 38.475,22.35 38.175,22.65 38.175,23.3 39.275,24.4 48.675,24.4 57.25,15.825 57.25,9.5 55.875,8.125 55.875,4.25 52.6,0.975 51.175,0.975 49.35,2.8 35.4,2.8 31.275,6.925 31.275,7.975
GND on Top "GND_L01_P004" (solid, remove dead copper, pour order 4): 0,2 0,29.37 cw(c2,29.37) 2,31.37 67,31.37 cw(c67,29.37) 69,29.37 69,2 cw(c67,2) 67,0 2,0 cw(c2,2)
GND on L7 "GND_L07_P022" (solid, remove dead copper, pour order 22): 0,2 0,29.37 cw(c2,29.37) 2,31.37 67,31.37 cw(c67,29.37) 69,29.37 69,2 cw(c67,2) 67,0 2,0 cw(c2,2)
GND on Bottom "GND_L08_P023" (solid, remove dead copper, pour order 23): 0,2 0,29.37 cw(c2,29.37) 2,31.37 67,31.37 cw(c67,29.37) 69,29.37 69,2 cw(c67,2) 67,0 2,0 cw(c2,2)
GND on L4 "GND_L04_P019" (solid, remove dead copper, pour order 19): 0,2 0,29.37 cw(c2,29.37) 2,31.37 67,31.37 cw(c67,29.37) 69,29.37 69,2 cw(c67,2) 67,0 2,0 cw(c2,2)
GND on L5 "GND_L05_P020" (solid, remove dead copper, pour order 20): 0,2 0,29.37 cw(c2,29.37) 2,31.37 67,31.37 cw(c67,29.37) 69,29.37 69,2 cw(c67,2) 67,0 2,0 cw(c2,2)